# KiCad board main.kicad_pcb (continued)
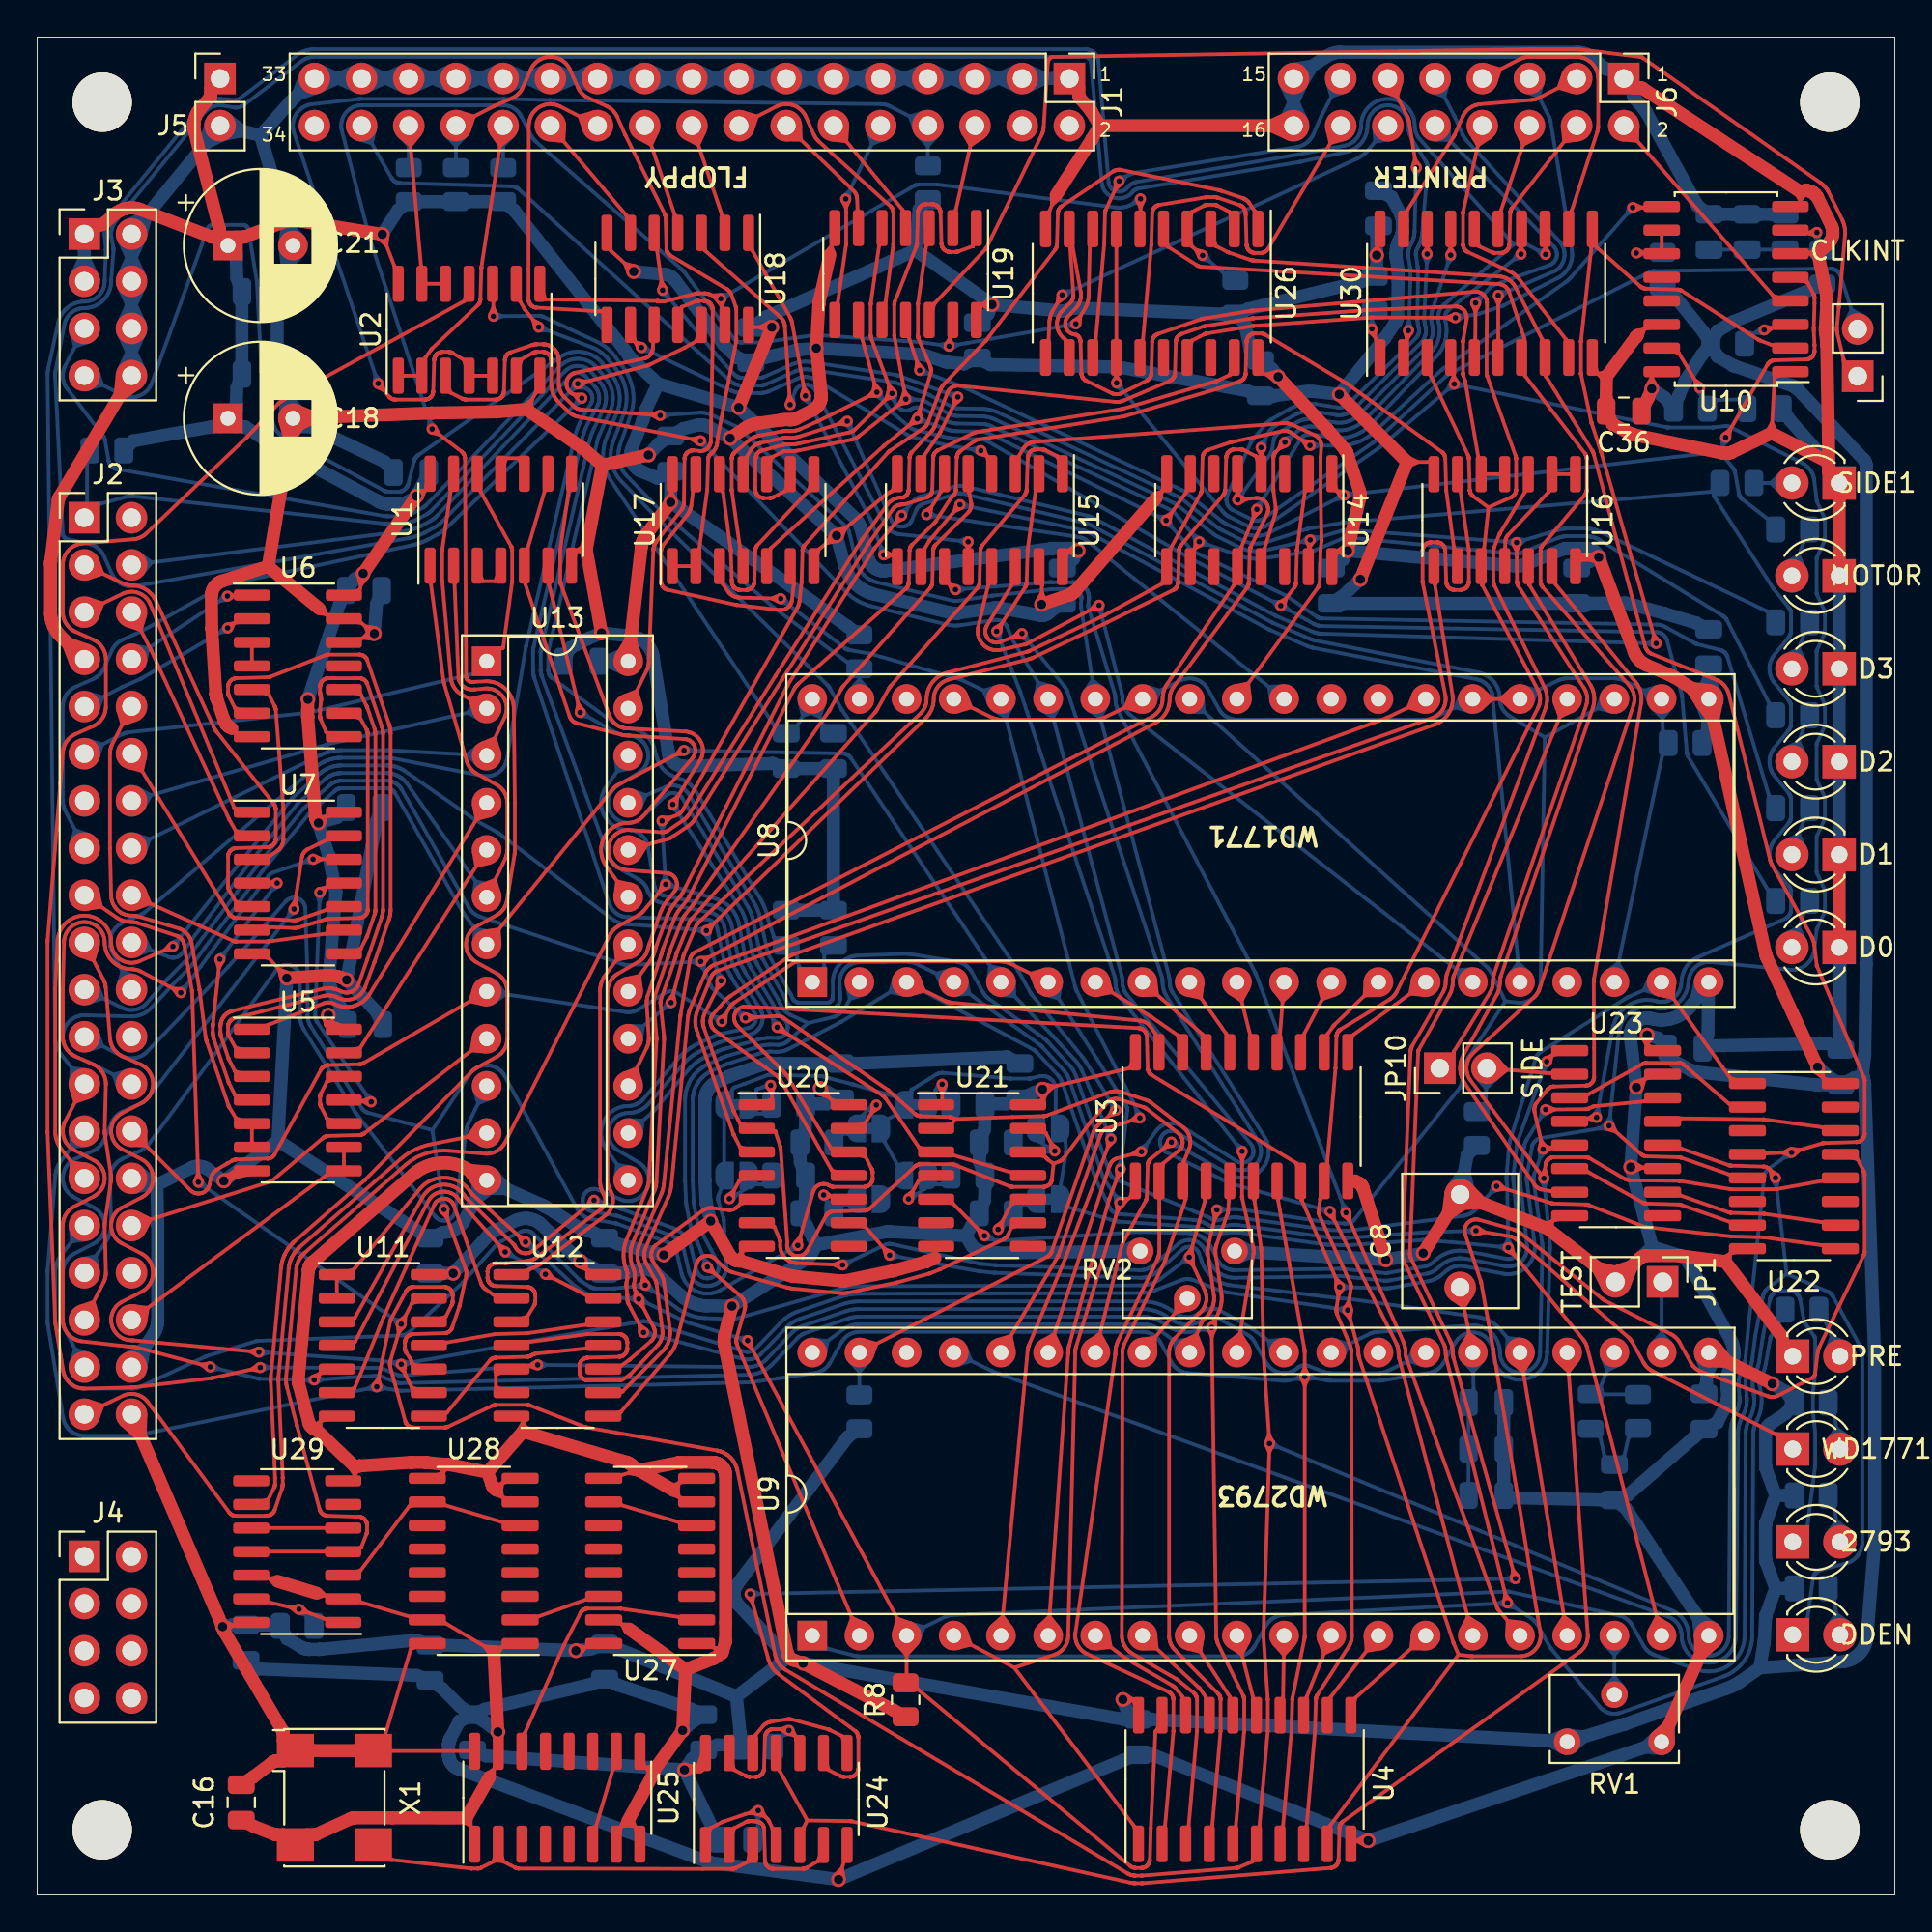
[diagram p0: board, top side]
## Routing (per net, layer and track width the routed paths; a pad name or vN(x,y) marks a point on that pad's centre or on a via; arc(x,y) is an arc through that point) (continued)
F_D4: length 277.3
  Top w0.2: 2.66,53.07 3.44,53.19 3.27,53.96 ; 19.75,30.59 19.46,30.26 19.4,30.69 ; 29.52,25.17 29.57,25.16 29.58,25.16 36.59,23.92 36.63,23.91 36.67,23.9 36.72,23.89 36.75,23.88 36.78,23.87 36.82,23.86 36.85,23.85 36.88,23.83 36.93,23.81 36.98,23.79 37.01,23.77 37.04,23.76 37.07,23.74 37.1,23.72 37.15,23.68 37.18,23.66 37.21,23.64 37.23,23.62 37.26,23.6 37.28,23.57 37.31,23.55 37.33,23.53 37.35,23.51 37.38,23.48 37.4,23.45 37.42,23.43 37.44,23.4 37.46,23.37 37.48,23.35 37.5,23.32 37.52,23.29 37.54,23.26 37.55,23.23 37.57,23.19 37.59,23.16 37.6,23.14 37.61,23.11 37.63,23.07 37.64,23.04 37.65,23.01 37.66,22.97 37.67,22.94 37.68,22.9 37.69,22.86 37.69,22.84 39.73,12.91 39.74,12.85 39.76,12.79 39.78,12.73 39.8,12.67 39.83,12.61 39.86,12.56 39.89,12.5 39.93,12.45 39.97,12.4 40.01,12.35 40.05,12.3 40.09,12.26 40.14,12.22 40.19,12.18 40.24,12.14 40.3,12.11 58.69,1.16 58.72,1.14 58.74,1.13 58.78,1.11 58.8,1.11 58.82,1.1 58.84,1.09 58.86,1.08 58.88,1.08 58.92,1.06 58.94,1.06 58.96,1.05 58.98,1.05 59,1.05 59.02,1.04 59.08,1.04 59.12,1.04 59.14,1.04 59.44,1.04 59.47,1.04 59.49,1.04 64.54,1.45 64.58,1.45 64.6,1.46 64.62,1.46 64.66,1.47 64.69,1.48 65.39,1.78 65.4,1.79 U4.6 65.8,3.73 66.24,8.81 66.25,8.83 66.25,10.51 66.24,10.53 66.01,13.88 66.01,13.92 66.01,13.95 66.01,13.97 66.01,13.99 v2(66.34,24.3) 66.01,29.12 66.01,29.16 66.01,29.17 65.89,34.69 65.89,34.72 65.89,34.75 65.89,34.79 65.89,34.82 65.88,34.86 65.52,37.43 65.52,37.44 65.52,37.54 U3.6 ; 94.36,39.78 93.96,39.95 94.35,40.15 ; v2(8.68,38.36) 8.34,48.58 8.34,48.61 8.34,48.64 8.33,48.67 7.91,51.15 7.91,51.19 7.9,51.22 7.89,51.25 7.88,51.28 7.86,51.31 7.85,51.34 7.83,51.37 7.81,51.4 7.79,51.43 7.77,51.45 7.75,51.48 7.73,51.5 7.7,51.52 7.68,51.54 7.65,51.56 7.62,51.58 7.59,51.59 7.56,51.61 7.53,51.62 7.5,51.63 5.42,52.31 5.38,52.33 5.34,52.34 5.3,52.35 5.25,52.35 5.21,52.36 5.17,52.36 5.12,52.37 5.01,52.37 4.95,52.37 4.88,52.38 4.81,52.39 4.75,52.41 4.68,52.42 4.62,52.44 4.56,52.47 4.49,52.49 4.43,52.52 4.37,52.55 4.32,52.59 4.26,52.62 J2.17 ; 29.52,25.17 29.5,25.18 29.49,25.19 26.52,26.35 26.49,26.36 26.49,26.36 ; 19.8,30.71 19.82,31.15 19.47,30.88 ; 66.16,24.22 66.33,23.82 66.52,24.21 ; 19.98,25.25 20.01,25.23 20.04,25.21 20.05,25.2 20.08,25.19 20.11,25.18 20.13,25.17 20.16,25.17 20.19,25.16 20.2,25.16 20.25,25.16 20.26,25.16 21.91,25.16 21.94,25.16 21.97,25.16 22,25.16 22.01,25.17 22.05,25.18 22.07,25.19 22.09,25.19 22.12,25.2 24.51,26.33 24.54,26.35 24.57,26.35 24.61,26.37 24.63,26.37 24.69,26.38 24.71,26.38 26.36,26.38 26.38,26.38 26.42,26.37 26.45,26.37 26.46,26.36 26.49,26.36 ; 19.98,25.25 19.96,25.26 19.94,25.28 19.92,25.31 19.9,25.33 19.87,25.36 19.86,25.39 19.85,25.41 19.83,25.44 19.82,25.47 19.82,25.48 19.01,28.4 19.01,28.43 19,28.46 19,28.49 18.99,28.51 18.99,28.54 18.99,28.57 18.99,28.6 18.99,28.63 19,28.65 19,28.68 19.01,28.71 19.01,28.74 v2(19.6,30.72) 20.17,31.84 20.17,31.84 U11.13 ; U26.3 63.45,88.76 63.45,88.76 64.08,88.43 64.12,88.42 64.14,88.41 65.29,88.02 65.33,88.01 65.37,87.99 65.39,87.99 65.41,87.99 65.43,87.98 65.45,87.98 65.52,87.97 78.72,87.12 78.77,87.11 78.83,87.1 78.88,87.09 78.94,87.08 78.99,87.06 79.04,87.04 79.09,87.02 79.14,86.99 79.19,86.97 79.23,86.94 79.28,86.9 79.32,86.87 79.36,86.83 79.4,86.79 79.44,86.75 79.47,86.71 79.5,86.66 79.53,86.61 79.56,86.56 81.01,83.75 81.01,83.74 U30.8 81.22,81.87 81.22,81.77 81.23,81.75 81.23,81.73 81.24,81.71 83.7,77.76 83.72,77.73 83.74,77.7 83.75,77.66 83.76,77.64 83.77,77.62 83.78,77.6 83.79,77.58 83.79,77.56 83.8,77.51 86.56,67.2 86.57,67.17 86.58,67.14 86.6,67.11 86.61,67.08 86.63,67.05 86.64,67.02 86.66,66.99 86.68,66.97 86.71,66.94 86.73,66.92 86.75,66.9 86.78,66.88 86.81,66.86 86.84,66.84 86.86,66.82 86.89,66.81 86.92,66.79 90.39,65.4 90.45,65.38 90.5,65.36 90.55,65.33 90.6,65.3 90.65,65.26 90.69,65.23 90.74,65.19 90.78,65.15 90.82,65.1 90.86,65.06 90.89,65.01 90.92,64.96 90.95,64.91 90.98,64.86 91,64.81 91.03,64.75 91.04,64.7 91.06,64.64 93.29,55.71 93.3,55.66 93.31,55.62 93.33,55.58 93.34,55.54 93.36,55.49 93.38,55.45 93.4,55.41 95.52,51.59 95.54,51.54 95.57,51.49 95.59,51.45 95.6,51.4 95.62,51.35 95.63,51.3 95.64,51.25 95.65,51.2 95.66,51.15 95.79,50.06 95.8,50.04 95.8,50.02 95.81,50 95.81,49.98 98.34,44 98.35,43.97 98.36,43.92 98.37,43.89 98.37,43.88 98.37,43.83 98.37,43.82 98.37,40.98 98.37,40.96 98.37,40.92 98.37,40.89 98.36,40.88 98.35,40.84 98.34,40.82 98.34,40.8 98.32,40.77 98.31,40.74 98.3,40.73 98.28,40.7 98.26,40.68 98.25,40.67 98.22,40.64 98.2,40.62 98.19,40.61 98.16,40.59 98.14,40.58 98.12,40.57 98.09,40.56 98.06,40.55 98.05,40.54 98.01,40.53 97.99,40.53 97.97,40.53 97.92,40.52 96.21,40.47 96.16,40.47 96.13,40.47 96.11,40.46 96.07,40.45 v2(94.44,39.97) 93.07,39.91 93.06,39.91 92.96,39.91 U22.4 ; 66.15,24.37 66.31,24.78 66.52,24.39 ; 94.57,39.82 94.9,40.1 94.47,40.17 ; 8.86,38.45 8.66,38.84 8.49,38.44
  Bottom w0.2: 94.48,39.77 94.05,39.69 94.26,40.07 ; v2(19.6,30.72) v2(8.68,38.36) ; 8.85,38.46 9.07,38.09 8.64,38.17 ; 66.49,24.43 66.79,24.11 66.35,24.1 ; v2(94.44,39.97) 93.22,39.09 93.19,39.07 93.17,39.05 93.15,39.03 93.12,39.01 93.1,38.98 93.08,38.96 93.06,38.93 93.05,38.9 93.03,38.88 93.02,38.85 93.01,38.82 92.99,38.79 92.99,38.76 92.98,38.72 92.97,38.69 92.97,38.66 92.07,30.06 92.07,30.04 91.98,29.02 91.97,28.94 91.95,28.86 91.94,28.78 91.92,28.7 91.9,28.62 91.87,28.55 91.85,28.47 91.82,28.39 91.78,28.32 91.77,28.3 91.74,28.23 91.71,28.15 91.68,28.07 91.66,27.99 91.64,27.92 91.62,27.83 91.61,27.75 91.6,27.67 91.59,27.59 91.59,27.51 91.59,27.43 91.6,27.34 91.6,27.29 91.63,26.79 91.64,26.75 91.64,26.71 91.64,26.68 91.64,26.65 91.64,26.63 91.64,26.6 91.63,26.57 91.63,26.51 91.62,26.47 91.62,26.43 91.61,26.39 91.6,26.35 91.59,26.3 91.58,26.26 91.56,26.22 91.55,26.18 91.53,26.14 91.51,26.1 91.5,26.06 91.48,26.02 91.46,26 91.41,25.9 91.36,25.8 91.32,25.69 91.28,25.59 91.25,25.48 91.22,25.37 91.19,25.26 91.18,25.15 91.16,25.04 91.15,24.93 91.15,24.82 91.06,13.95 91.06,13.88 91.05,13.81 91.04,13.75 91.03,13.68 91.01,13.62 90.99,13.56 90.96,13.5 90.93,13.44 90.9,13.38 90.86,13.33 90.82,13.27 90.78,13.22 90.73,13.18 90.68,13.13 90.63,13.09 90.57,13.05 90.52,13.02 90.46,12.99 90.4,12.96 90.34,12.93 90.27,12.91 90.21,12.9 90.14,12.89 90.08,12.88 90.01,12.88 89.94,12.88 89.88,12.88 89.81,12.89 89.75,12.9 89.68,12.92 89.62,12.94 89.56,12.96 89.5,12.99 89.44,13.02 89.38,13.06 89.33,13.09 89.28,13.14 89.23,13.18 89.18,13.23 89.14,13.28 89.1,13.33 89.06,13.39 89.03,13.45 89,13.5 88.97,13.57 88.95,13.63 88.93,13.69 88.92,13.76 88.91,13.82 88.9,13.89 88.9,13.95 88.9,14.04 88.89,14.12 88.88,14.2 88.87,14.28 88.85,14.36 88.82,14.44 88.79,14.51 88.76,14.59 88.72,14.66 88.68,14.73 88.63,14.8 88.58,14.86 88.53,14.93 88.47,14.99 88.42,15.04 88.35,15.1 88.29,15.15 88.22,15.19 88.15,15.23 88.08,15.27 88,15.3 v2(66.34,24.3) ; 19.63,30.92 19.2,31 19.42,30.62
F_D5: length 260.5
  Top w0.2: U11.12 21.99,31.12 21.99,31.12 22.32,31.75 22.33,31.79 22.34,31.82 22.35,31.83 22.36,31.87 22.36,31.89 22.37,31.91 22.37,31.96 22.37,31.97 22.37,32.27 22.37,32.29 22.36,32.33 22.36,32.35 22.36,32.37 22.35,32.41 22.34,32.43 22.33,32.45 22.32,32.48 22.3,32.5 22.29,32.52 22.27,32.55 22.25,32.57 22.24,32.58 22.22,32.61 22.2,32.62 22.16,32.65 22.14,32.66 22.12,32.68 22.08,32.69 22.06,32.7 22.04,32.71 22.01,32.72 21.98,32.72 21.93,32.73 21.91,32.73 20.26,32.73 20.23,32.73 20.19,32.72 20.17,32.72 20.15,32.71 20.12,32.7 20.09,32.7 20.08,32.69 ; 68.42,27.81 68.24,27.42 68.05,27.81 ; 80.97,70.52 80.96,70.54 80.95,70.57 80.94,70.6 80.94,70.63 80.93,70.68 80.93,70.7 80.93,72.35 80.93,72.38 80.93,72.41 80.94,72.44 80.94,72.46 80.95,72.49 80.96,72.52 80.98,72.56 ; 68.42,27.98 68.23,28.38 68.05,27.98 ; 80.94,38.67 81.16,39.05 81.3,38.63 ; 18.48,27.39 18.38,27.82 18.12,27.47 ; 20.08,32.69 20.04,32.67 20.02,32.66 19.99,32.64 19.97,32.62 19.95,32.61 19.92,32.57 19.9,32.56 19.87,32.51 19.85,32.49 19.06,31.01 19.05,30.99 19.04,30.97 19.03,30.95 19.02,30.93 19.02,30.91 19.01,30.89 19,30.87 19,30.85 v2(18.28,27.35) ; 80.92,38.81 80.92,38.81 77.16,43.84 77.13,43.89 77.09,43.95 77.06,44 77.04,44.06 77.01,44.11 76.99,44.17 76.98,44.23 76.96,44.29 76.95,44.35 76.95,44.42 76.94,44.48 76.94,44.54 76.95,44.6 76.96,44.66 76.97,44.72 76.98,44.78 77,44.84 77.02,44.9 77.04,44.96 77.07,45.01 77.1,45.07 77.14,45.12 77.17,45.17 77.21,45.22 77.25,45.26 77.3,45.31 80.57,48.32 80.61,48.35 80.65,48.39 80.68,48.43 80.71,48.47 80.74,48.51 80.77,48.55 80.79,48.6 80.82,48.64 80.84,48.69 80.86,48.74 80.88,48.78 85.93,64.03 85.94,64.09 85.96,64.15 85.97,64.21 85.98,64.27 85.98,64.32 85.98,64.38 85.98,64.44 85.97,64.5 85.97,64.56 85.95,64.62 85.94,64.68 85.92,64.73 85.9,64.79 85.88,64.84 85.85,64.89 85.82,64.94 85.79,64.99 85.75,65.04 85.71,65.09 81.04,70.4 81.02,70.42 81,70.45 80.99,70.48 80.97,70.52 ; 80.92,38.81 81.15,38.76 ; 80.92,38.81 v2(81.11,38.57) 81.19,39.31 81.2,39.34 81.21,39.39 81.22,39.41 81.24,39.45 ; 80.92,38.81 80.91,38.58 ; U3.7 66.79,37.54 66.79,37.44 66.79,37.43 68.22,29.39 68.22,29.36 68.22,29.33 68.23,29.29 68.23,29.26 68.23,29.23 68.23,29.2 v2(68.24,27.9) 68.23,13.95 68.23,13.92 68.23,13.89 68.23,13.86 68.22,13.83 68.22,13.8 68.22,13.77 68.21,13.73 67.57,10.6 67.57,10.56 67.56,10.52 67.52,8.82 67.51,8.81 67.07,3.73 U4.7 ; U26.5 60.87,88.72 60.87,88.72 62.41,87.74 62.43,87.72 62.46,87.71 62.48,87.7 62.51,87.68 62.53,87.67 62.56,87.67 62.59,87.66 62.62,87.65 62.64,87.65 62.67,87.64 62.7,87.64 78.69,86.71 78.72,86.7 78.76,86.7 78.79,86.69 78.82,86.68 78.86,86.67 78.89,86.66 78.92,86.65 78.95,86.63 78.98,86.61 79.01,86.59 79.04,86.57 79.06,86.55 79.09,86.52 79.11,86.5 79.13,86.47 79.16,86.44 79.17,86.41 79.19,86.38 79.21,86.35 79.22,86.32 79.23,86.29 80.07,83.75 80.07,83.74 U30.7 80.09,81.77 80.1,81.77 83.32,77.59 83.35,77.55 83.36,77.52 83.37,77.51 83.39,77.47 83.4,77.45 83.4,77.43 83.41,77.4 83.42,77.37 83.42,77.35 83.42,77.31 83.42,77.3 83.42,75.65 83.42,75.62 83.42,75.59 83.41,75.56 83.41,75.54 83.4,75.51 83.39,75.48 83.38,75.47 83.37,75.44 83.35,75.41 83.34,75.4 83.32,75.36 83.31,75.35 81.04,72.65 81.02,72.63 81,72.6 80.99,72.57 80.98,72.56 ; 81.24,39.45 81.25,39.48 81.26,39.5 81.29,39.53 81.3,39.55 81.33,39.57 81.35,39.59 81.37,39.61 81.41,39.64 81.43,39.65 81.46,39.66 81.48,39.67 81.51,39.68 81.55,39.7 81.58,39.7 81.63,39.71 81.65,39.71 83.35,39.71 83.38,39.7 83.41,39.7 83.44,39.7 83.46,39.69 83.49,39.68 83.52,39.67 83.56,39.65 83.58,39.64 85.42,38.56 85.45,38.55 85.48,38.53 85.51,38.52 85.54,38.51 85.58,38.5 85.61,38.49 85.64,38.48 85.67,38.47 85.71,38.47 85.74,38.47 85.77,38.47 88.35,38.44 88.38,38.43 88.42,38.43 88.43,38.43 91.14,37.99 91.16,37.99 91.2,37.98 91.21,37.98 92.92,37.98 93.58,37.99 93.61,37.99 93.65,37.99 93.68,38 ; U22.12 96.06,38.43 93.68,38
  Bottom w0.2: 68.29,27.7 68.71,27.82 68.35,28.06 ; v2(81.11,38.57) 81.43,35.05 81.43,34.99 81.44,34.94 81.44,34.89 81.44,34.83 81.44,34.78 81.28,29.23 81.28,29.19 81.28,29.11 81.27,29.02 81.26,28.93 81.24,28.84 81.21,28.75 81.18,28.67 81.15,28.58 81.11,28.5 81.06,28.43 81.01,28.35 80.96,28.28 80.9,28.21 80.84,28.15 80.77,28.09 80.7,28.03 80.63,27.98 80.55,27.93 80.47,27.89 80.39,27.85 80.31,27.82 80.22,27.79 80.13,27.77 80.05,27.75 79.96,27.74 79.87,27.74 79.78,27.74 79.69,27.74 79.6,27.75 79.51,27.77 79.42,27.79 79.34,27.82 79.25,27.85 79.17,27.89 79.09,27.93 79.02,27.98 78.94,28.03 78.87,28.09 78.81,28.15 78.74,28.21 78.68,28.28 78.63,28.35 78.58,28.43 78.54,28.5 78.5,28.58 78.46,28.67 78.43,28.75 78.41,28.84 78.39,28.93 78.37,29.02 78.36,29.11 78.36,29.26 78.35,29.33 78.34,29.39 78.33,29.45 78.31,29.52 78.29,29.58 78.27,29.64 78.24,29.7 78.2,29.76 78.17,29.81 78.13,29.86 78.09,29.91 78.04,29.96 77.99,30.01 77.94,30.05 77.89,30.09 77.84,30.12 77.78,30.15 77.72,30.18 77.66,30.21 77.6,30.23 77.53,30.25 77.47,30.26 77.4,30.27 77.34,30.27 77.27,30.27 77.21,30.27 77.14,30.27 77.08,30.26 77.01,30.24 76.95,30.22 76.89,30.2 76.83,30.18 76.77,30.15 76.71,30.11 76.66,30.08 76.61,30.04 76.56,30 76.51,29.95 76.47,29.9 76.42,29.85 76.39,29.8 76.35,29.74 75.7,28.63 75.67,28.58 75.64,28.54 75.6,28.49 75.56,28.45 75.52,28.41 75.48,28.37 75.44,28.33 75.39,28.3 75.35,28.26 75.3,28.23 75.25,28.21 75.19,28.18 75.14,28.16 75.09,28.14 75.03,28.12 74.98,28.11 74.92,28.1 72.45,27.69 72.41,27.69 72.37,27.68 72.33,27.68 72.28,27.68 72.24,27.68 72.2,27.67 69.66,27.67 69.62,27.68 69.58,27.68 69.53,27.68 69.49,27.68 69.45,27.69 69.4,27.7 v2(68.24,27.9) 67.48,27.72 67.42,27.7 67.36,27.69 67.3,27.69 67.24,27.68 67.18,27.68 67.12,27.67 67.06,27.68 67,27.68 61.95,28.09 61.89,28.1 61.83,28.1 61.77,28.12 61.71,28.13 61.66,28.15 61.6,28.18 61.55,28.2 61.49,28.23 61.44,28.26 61.39,28.3 61.34,28.33 61.3,28.37 61.25,28.41 61.21,28.46 61.17,28.5 61.14,28.55 61.1,28.6 61.07,28.66 60.47,29.73 60.44,29.79 60.41,29.84 60.37,29.89 60.33,29.94 60.29,29.98 60.24,30.02 60.19,30.06 60.14,30.1 60.09,30.14 60.04,30.17 59.98,30.2 59.93,30.22 59.87,30.24 59.81,30.26 59.75,30.28 59.69,30.29 59.63,30.3 59.56,30.3 59.5,30.31 44.26,30.31 44.2,30.3 44.14,30.3 44.08,30.29 44.02,30.28 43.96,30.26 43.9,30.24 43.84,30.22 43.78,30.2 43.73,30.17 43.67,30.14 43.62,30.1 43.57,30.06 43.52,30.02 43.48,29.98 43.44,29.94 43.4,29.89 43.36,29.84 43.32,29.79 43.29,29.73 42.69,28.66 42.66,28.6 42.63,28.55 42.59,28.51 42.55,28.46 42.51,28.42 42.47,28.37 42.42,28.34 42.38,28.3 42.33,28.27 42.28,28.23 42.22,28.21 42.17,28.18 42.11,28.16 42.06,28.14 42,28.12 41.94,28.11 41.88,28.1 38.57,27.61 38.52,27.6 38.46,27.6 38.41,27.59 38.35,27.59 38.3,27.59 19.64,27.14 19.59,27.13 19.55,27.14 19.51,27.14 19.47,27.14 19.43,27.14 19.39,27.15 19.35,27.16 v2(18.28,27.35) 5.31,24.73 5.27,24.73 5.23,24.72 5.2,24.72 5.16,24.71 5.12,24.71 5.08,24.71 2.54,24.71 2.47,24.71 2.41,24.72 2.34,24.73 2.28,24.74 2.22,24.76 2.16,24.78 2.09,24.8 2.03,24.83 1.98,24.86 1.92,24.89 1.87,24.93 1.81,24.97 1.76,25.01 1.72,25.05 1.67,25.1 1.63,25.15 1.59,25.2 1.55,25.26 1.52,25.31 1.49,25.37 1.47,25.43 1.44,25.49 1.42,25.56 1.41,25.62 1.4,25.68 0.59,30.63 0.58,30.68 0.57,30.74 0.57,30.79 0.56,30.84 0.56,30.9 0.56,30.95 0.56,33.49 0.56,33.52 0.56,33.55 0.56,33.59 0.56,33.62 0.57,33.65 0.97,38.7 0.98,38.77 0.99,38.85 1.01,38.92 1.03,39 1.05,39.07 1.08,39.14 1.11,39.21 1.14,39.28 1.18,39.35 1.22,39.42 1.26,39.48 1.31,39.54 J2.27 ; 18.16,27.51 17.81,27.25 18.24,27.15 ; 1.79,41.04 1.87,40.25 2.65,40.37 ; 68.2,27.7 67.77,27.79 68.11,28.06 ; 18.33,27.15 18.75,27.26 18.39,27.51 ; 80.93,38.47 81.15,38.09 81.3,38.5
F_D6: length 310.5
  Top w0.2: 21.76,36.76 22.06,36.45 22.1,36.89 ; 44.88,38.29 44.87,38.27 44.85,38.25 44.82,38.23 44.8,38.21 44.79,38.2 44.76,38.18 44.74,38.17 44.72,38.16 44.69,38.14 44.66,38.13 44.65,38.13 44.61,38.12 44.59,38.11 44.57,38.11 44.52,38.11 44.51,38.11 42.86,38.11 42.84,38.11 42.81,38.11 42.78,38.12 42.76,38.12 42.73,38.13 42.71,38.15 42.69,38.16 42.66,38.18 42.62,38.2 42.59,38.21 42.56,38.23 42.53,38.24 42.49,38.25 42.46,38.26 42.42,38.26 42.39,38.27 42.35,38.27 42.32,38.27 42.28,38.27 42.25,38.26 42.21,38.26 42.18,38.25 42.14,38.24 42.11,38.22 42.08,38.21 42.05,38.19 42.02,38.17 41.99,38.15 41.96,38.13 41.93,38.11 41.91,38.08 41.88,38.06 41.86,38.03 41.84,38 41.82,37.97 41.81,37.94 41.79,37.91 41.78,37.87 41.77,37.84 v2(40.95,34.96) ; 86.37,39.85 86.35,39.86 86.35,39.87 v2(84.62,41.4) ; 58.1,81.77 v2(58.1,81.39) ; 58.1,81.77 58.28,81.49 ; 58.1,81.77 58.1,81.87 U26.14 U26.7 ; 58.1,81.77 57.93,81.49 ; 40.79,35.09 41.08,35.42 41.14,34.99 ; 76.26,81.77 76.45,81.43 ; 76.26,81.77 v2(76.28,81.33) ; 76.26,81.77 U30.4 ; 76.26,81.77 76.1,81.41 ; 22.34,30.54 22.73,31.68 22.74,31.72 22.76,31.77 22.76,31.79 23.09,33.3 23.1,33.34 23.1,33.37 23.1,33.4 23.11,33.44 23.11,33.47 23.1,33.5 23.1,33.53 23.1,33.57 23.09,33.6 23.08,33.63 23.07,33.67 23.06,33.7 v2(21.9,36.9) ; U4.8 68.34,3.73 68.78,8.81 68.79,8.82 68.83,10.52 68.84,10.56 68.84,10.59 68.85,10.61 68.86,10.65 68.87,10.67 68.89,10.72 68.9,10.75 68.9,10.75 70.59,13.35 70.62,13.4 70.65,13.44 70.67,13.49 70.69,13.54 70.71,13.59 70.73,13.64 70.74,13.69 70.75,13.74 70.76,13.8 70.77,13.85 70.77,13.9 70.77,13.96 70.74,29.19 70.74,29.24 70.74,29.29 70.73,29.34 70.73,29.38 70.72,29.43 70.71,29.48 70.69,29.52 70.68,29.57 70.66,29.61 69.98,31.24 69.97,31.27 69.96,31.3 69.95,31.32 69.95,31.35 69.94,31.38 69.94,31.4 69.94,31.43 69.93,31.46 69.93,31.49 69.93,31.51 69.94,31.54 69.94,31.57 v2(70.11,32.73) 68.07,37.4 68.06,37.42 68.06,37.44 68.06,37.54 U3.8 67.77,39.39 67.77,39.4 60,44.12 59.99,44.14 59.96,44.16 59.94,44.17 59.92,44.19 59.9,44.21 59.88,44.23 59.86,44.27 59.84,44.29 59.83,44.31 59.81,44.35 59.8,44.37 59.8,44.39 59.79,44.42 59.79,44.45 59.78,44.5 59.78,44.51 59.73,46.2 59.73,46.22 59.73,46.26 59.72,46.28 59.72,46.3 59.71,46.34 59.7,46.36 59.69,46.38 59.68,46.41 59.67,46.43 59.66,46.45 59.63,46.48 59.62,46.5 59.61,46.51 59.58,46.54 59.56,46.55 59.52,46.58 59.5,46.59 59.48,46.61 59.44,46.62 59.42,46.63 59.4,46.64 59.37,46.65 59.34,46.65 59.3,46.65 59.29,46.66 38.16,47.82 38.12,47.82 38.09,47.81 38.05,47.81 38.01,47.81 37.98,47.8 37.94,47.79 37.91,47.78 37.87,47.76 37.84,47.74 37.81,47.73 37.78,47.71 37.75,47.68 37.72,47.66 37.69,47.63 37.67,47.61 37.64,47.58 37.62,47.55 37.6,47.52 37.59,47.49 37.57,47.45 37.56,47.42 37.54,47.38 37.53,47.35 37.53,47.31 37.52,47.28 37.52,47.24 37.52,47.2 37.52,47.17 37.52,47.13 37.53,47.09 37.54,47.06 37.55,47.02 37.56,46.99 37.57,46.95 37.59,46.92 37.61,46.89 37.63,46.86 37.65,46.83 37.67,46.8 37.7,46.77 40.2,44.31 40.23,44.28 40.25,44.25 40.27,44.23 40.3,44.2 40.32,44.17 40.34,44.14 40.36,44.11 42.72,40.21 42.73,40.2 U20.12 44.6,39.72 44.6,39.72 44.92,39.08 44.94,39.04 44.95,39.02 44.96,39 44.96,38.97 44.97,38.94 44.97,38.92 44.97,38.88 44.97,38.87 44.97,38.57 44.97,38.54 44.97,38.51 44.97,38.48 44.96,38.46 44.95,38.43 44.94,38.4 44.94,38.39 44.92,38.36 44.91,38.33 44.9,38.32 44.88,38.3 ; 19.85,29.93 19.83,29.9 19.82,29.87 19.82,29.86 19.81,29.82 19.8,29.8 19.8,29.75 19.8,29.73 19.8,29.43 19.8,29.4 19.8,29.36 19.81,29.34 19.81,29.32 19.82,29.29 19.83,29.26 19.83,29.24 ; 22.34,30.54 22.33,30.51 22.32,30.48 22.3,30.46 22.29,30.44 22.27,30.41 22.25,30.39 22.24,30.38 22.22,30.36 22.2,30.34 22.18,30.33 22.15,30.31 22.13,30.29 22.11,30.28 22.08,30.27 22.06,30.26 22.04,30.25 22.01,30.25 21.98,30.24 21.96,30.24 21.92,30.24 20.25,30.19 20.2,30.18 20.18,30.18 20.15,30.17 20.12,30.16 20.09,30.16 20.08,30.15 ; 84.56,41.21 84.98,41.08 84.8,41.48 ; 70.25,32.87 69.92,33.17 69.91,32.73 ; U22.5 91.07,38.78 88.5,39.68 88.48,39.69 88.45,39.7 88.42,39.7 88.37,39.71 88.36,39.71 86.64,39.75 86.62,39.76 86.59,39.76 86.56,39.76 86.54,39.77 86.51,39.78 86.48,39.79 86.47,39.79 86.44,39.81 86.41,39.82 86.4,39.83 86.38,39.85 ; 19.85,29.93 19.86,29.96 19.87,29.98 19.89,30.01 19.91,30.03 19.93,30.05 19.96,30.07 19.97,30.09 20.01,30.12 20.04,30.13 20.08,30.15 ; 19.84,29.24 19.85,29.21 19.86,29.19 19.87,29.18 20.07,28.89 20.08,28.86 20.1,28.84 20.11,28.82 20.12,28.79 20.13,28.77 20.14,28.75 20.15,28.72 20.15,28.7 20.16,28.67 20.16,28.64 20.17,28.62 20.17,28.59 20.17,28.58 U11.10 ; 70.28,32.62 70.04,32.25 69.92,32.67
  Bottom w0.2: 96.23,62.98 96.23,62.95 96.22,62.93 96.21,62.88 96.2,62.85 96.19,62.83 95.82,62.03 95.81,62.01 95.8,61.98 95.79,61.95 95.79,61.93 95.79,61.9 95.79,60.1 95.79,60.07 95.79,60.05 95.8,60.02 95.81,59.99 95.82,59.97 96.19,59.17 96.2,59.14 96.21,59.12 96.22,59.07 96.23,59.04 96.23,59.02 96.24,58.97 96.24,58.95 96.24,58.05 96.23,58.02 96.23,57.98 ; J2.23 4.55,45.16 4.61,45.13 4.67,45.11 4.73,45.08 4.79,45.07 4.85,45.05 4.92,45.04 4.98,45.03 5.05,45.03 5.11,45.03 5.18,45.03 5.24,45.04 5.3,45.05 5.37,45.07 5.43,45.08 5.49,45.11 5.55,45.13 5.61,45.16 5.67,45.19 5.72,45.22 5.77,45.26 5.82,45.3 5.87,45.34 5.92,45.39 10.27,49.95 10.29,49.96 13.37,53.47 13.39,53.49 13.42,53.52 13.45,53.54 13.48,53.57 13.51,53.59 13.54,53.6 13.58,53.62 13.61,53.64 13.65,53.65 13.68,53.66 13.72,53.66 13.76,53.67 13.79,53.67 13.83,53.67 13.87,53.67 13.91,53.67 13.94,53.66 13.98,53.65 14.01,53.64 14.05,53.63 14.08,53.62 14.12,53.6 14.15,53.58 14.18,53.56 14.21,53.54 14.24,53.51 14.27,53.49 14.29,53.46 14.31,53.43 14.34,53.4 14.36,53.37 14.37,53.34 14.39,53.3 14.4,53.27 14.41,53.23 14.42,53.2 14.43,53.16 14.43,53.12 14.44,53.08 14.56,49.39 14.56,49.35 14.56,47.35 14.56,47.3 14.56,47.25 14.57,47.2 14.57,47.15 14.59,47.1 14.6,47.05 14.61,47 14.63,46.95 14.65,46.9 14.67,46.85 14.7,46.81 14.73,46.76 ; 96.23,67.98 96.23,67.95 96.22,67.93 96.21,67.88 96.2,67.85 96.19,67.83 95.82,67.03 95.81,67.01 95.8,66.98 95.79,66.95 95.79,66.93 95.79,66.9 95.79,65.1 95.79,65.07 95.79,65.05 95.8,65.02 95.81,64.99 95.82,64.97 96.19,64.17 96.2,64.14 96.21,64.12 96.22,64.07 96.23,64.04 96.23,64.02 96.24,63.97 96.24,63.95 96.24,63.05 96.23,63.02 96.23,62.98 ; 84.49,41.55 84.16,41.28 84.59,41.2 ; 70.2,32.9 70.59,32.71 70.19,32.54 ; 21.27,41.17 23.27,44.16 23.31,44.22 23.35,44.27 23.4,44.32 23.45,44.37 23.5,44.41 23.55,44.45 23.61,44.49 23.66,44.52 23.72,44.55 23.79,44.58 23.85,44.6 23.91,44.62 23.98,44.63 24.04,44.65 24.11,44.65 24.18,44.66 24.25,44.65 24.31,44.65 24.38,44.64 24.44,44.63 24.51,44.61 24.57,44.59 24.64,44.57 24.7,44.54 24.76,44.5 24.81,44.47 24.87,44.43 24.92,44.39 24.97,44.34 25.02,44.3 25.06,44.24 25.1,44.19 25.14,44.14 25.17,44.08 29.08,36.9 29.11,36.86 29.14,36.81 29.17,36.77 29.2,36.73 29.24,36.69 29.28,36.65 29.32,36.61 29.36,36.58 29.4,36.55 29.45,36.52 29.5,36.49 29.54,36.47 29.59,36.45 29.64,36.43 29.69,36.41 29.75,36.4 29.8,36.39 ; 21.27,41.17 17.82,42.1 17.79,42.1 17.76,42.11 17.74,42.13 17.71,42.14 17.68,42.15 17.66,42.17 17.63,42.19 17.61,42.2 17.58,42.22 17.56,42.24 17.54,42.27 17.52,42.29 17.5,42.31 17.48,42.34 17.46,42.36 14.73,46.76 ; 21.27,41.17 v2(21.9,36.9) ; 96.23,72.98 96.23,72.95 96.22,72.93 96.21,72.88 96.2,72.85 96.19,72.83 95.82,72.03 95.81,72.01 95.8,71.98 95.79,71.95 95.79,71.93 95.79,71.9 95.79,70.1 95.79,70.07 95.79,70.05 95.8,70.02 95.81,69.99 95.82,69.97 96.19,69.17 96.2,69.14 96.21,69.12 96.22,69.07 96.23,69.04 96.23,69.02 96.24,68.97 96.24,68.95 96.24,68.05 96.23,68.02 96.23,67.98 ; v2(40.95,34.96) 36.79,32.56 36.72,32.52 36.64,32.48 36.56,32.45 36.48,32.42 36.39,32.4 36.31,32.38 36.22,32.37 36.14,32.37 36.05,32.37 35.97,32.37 35.88,32.38 35.8,32.39 35.71,32.41 35.63,32.44 35.55,32.47 35.47,32.5 35.39,32.54 35.32,32.58 35.25,32.63 35.18,32.68 35.11,32.74 35.05,32.8 34.99,32.86 34.94,32.93 34.89,33 34.84,33.07 34.8,33.15 34.77,33.23 34.73,33.31 34.71,33.39 34.68,33.47 34.42,34.61 34.41,34.64 34.4,34.68 34.38,34.72 34.37,34.75 34.35,34.79 34.33,34.82 34.31,34.85 34.28,34.89 34.26,34.92 34.23,34.94 34.2,34.97 34.17,35 34.14,35.02 34.11,35.04 34.08,35.06 34.04,35.08 34.01,35.1 33.97,35.11 31.21,36.13 31.19,36.14 31.13,36.15 31.12,36.15 29.8,36.39 ; 58.02,81.21 58.41,81.02 58.3,81.44 ; 2.75,45.47 3.51,45.69 3.25,46.44 ; 96.23,52.98 96.24,53.03 96.24,53.05 96.24,53.95 96.23,53.98 96.23,54.03 96.23,54.06 96.22,54.07 96.21,54.12 96.2,54.15 96.19,54.17 95.82,54.97 95.81,54.99 95.8,55.02 95.79,55.05 95.79,55.07 95.79,55.1 95.79,56.9 95.79,56.93 95.79,56.95 95.8,56.98 95.81,57.01 95.82,57.03 96.19,57.83 96.2,57.86 96.21,57.88 96.22,57.93 96.23,57.96 96.23,57.98 ; 75.85,33.59 75.9,33.62 75.95,33.66 76,33.69 76.05,33.72 76.11,33.75 76.16,33.77 76.22,33.8 76.28,33.81 76.34,33.83 76.4,33.84 76.46,33.85 76.52,33.86 76.58,33.86 76.64,33.86 76.7,33.86 76.76,33.85 76.82,33.84 78.92,33.44 79,33.42 79.09,33.42 79.17,33.41 79.25,33.41 79.34,33.42 79.42,33.43 79.5,33.45 79.59,33.47 79.67,33.49 79.74,33.52 79.82,33.56 79.89,33.6 79.97,33.64 80.04,33.69 80.1,33.74 80.17,33.8 80.22,33.86 80.28,33.92 80.33,33.98 80.38,34.05 80.43,34.12 80.47,34.2 80.5,34.27 80.53,34.35 80.56,34.43 80.58,34.51 80.6,34.6 80.61,34.68 80.62,34.76 80.62,34.85 80.62,34.93 80.61,35.01 80.21,38.34 80.2,38.39 80.19,38.42 80.19,38.46 80.19,38.5 80.18,38.54 80.18,38.58 80.18,38.61 80.19,38.65 80.19,38.69 80.2,38.73 80.46,40.25 80.47,40.28 80.48,40.31 80.49,40.34 80.5,40.38 80.52,40.41 80.53,40.44 80.55,40.47 80.57,40.5 80.59,40.52 80.61,40.55 80.64,40.57 80.66,40.6 80.69,40.62 80.71,40.64 80.74,40.66 80.77,40.68 80.8,40.69 80.83,40.7 80.87,40.72 80.9,40.73 80.93,40.74 80.97,40.74 84.04,41.25 84.08,41.25 84.1,41.26 v2(84.62,41.4) 85.15,46.44 85.16,46.54 85.18,46.62 85.2,46.71 85.23,46.8 85.26,46.88 85.3,46.97 85.34,47.05 85.39,47.12 85.44,47.2 85.5,47.27 85.56,47.34 85.63,47.4 85.69,47.46 85.77,47.52 85.84,47.57 85.92,47.62 86,47.66 86.08,47.7 86.17,47.73 86.26,47.76 86.34,47.78 86.43,47.79 86.52,47.8 86.61,47.81 86.71,47.81 86.8,47.81 86.89,47.8 86.98,47.78 87.15,47.74 87.23,47.72 87.31,47.71 87.39,47.71 87.48,47.71 87.56,47.71 87.64,47.72 87.72,47.74 87.8,47.75 87.88,47.78 87.96,47.8 88.03,47.84 88.11,47.87 88.18,47.91 88.25,47.96 88.31,48.01 88.38,48.06 88.44,48.11 88.5,48.17 88.55,48.23 88.6,48.3 88.64,48.37 88.69,48.44 88.73,48.51 88.76,48.59 88.79,48.66 88.81,48.74 88.83,48.82 88.85,48.9 88.92,49.31 88.93,49.37 88.94,49.43 88.96,49.49 88.99,49.55 89.01,49.61 89.04,49.66 89.07,49.72 89.11,49.77 89.15,49.82 89.19,49.86 89.23,49.91 89.28,49.95 89.32,49.99 89.37,50.03 89.43,50.06 89.48,50.09 89.54,50.12 89.6,50.14 89.65,50.16 89.71,50.18 89.78,50.19 89.84,50.2 89.9,50.21 89.96,50.21 90.02,50.21 90.09,50.21 94.34,49.8 94.41,49.79 94.48,49.79 94.55,49.79 94.62,49.8 94.69,49.81 94.76,49.83 94.82,49.85 94.89,49.87 94.95,49.89 95.01,49.92 95.08,49.96 95.13,50 95.19,50.04 95.24,50.08 95.3,50.13 95.34,50.17 95.39,50.23 95.43,50.28 95.47,50.34 95.51,50.4 95.54,50.46 95.57,50.52 95.6,50.59 95.62,50.65 95.64,50.72 95.65,50.79 95.66,50.85 95.79,51.94 95.8,51.96 95.8,51.98 95.81,52.01 95.82,52.03 96.19,52.83 96.2,52.86 96.21,52.88 96.22,52.93 96.23,52.96 96.23,52.98 ; 84.45,41.5 84.67,41.88 84.81,41.46 ; 22.07,37.01 21.83,37.38 21.71,36.96 ; 40.97,34.76 40.53,34.72 40.78,35.08 ; 76.32,81.13 76.75,81.23 76.4,81.49 ; v2(58.1,81.39) 63.84,74.44 63.87,74.41 63.9,74.38 63.93,74.35 63.96,74.32 63.99,74.29 64.03,74.27 64.06,74.24 64.1,74.22 64.14,74.2 64.17,74.18 65.2,73.67 65.26,73.64 65.31,73.62 65.36,73.61 65.42,73.59 65.47,73.58 65.53,73.57 65.59,73.56 65.64,73.56 65.7,73.56 65.76,73.57 65.82,73.58 65.87,73.59 65.93,73.6 65.98,73.62 66.04,73.64 66.09,73.66 66.14,73.68 66.19,73.71 66.24,73.74 72.13,77.83 72.19,77.87 72.25,77.91 72.3,77.95 72.36,78 72.41,78.04 v2(76.28,81.33) 87.72,79 87.75,78.99 87.81,78.99 87.83,78.99 90.17,78.99 90.2,78.99 90.25,78.99 90.82,79.06 90.85,79.06 90.88,79.06 90.91,79.06 90.94,79.06 90.97,79.06 91,79.05 91.03,79.05 91.06,79.04 91.08,79.03 91.11,79.02 91.14,79.01 91.17,79 95,77.08 ; v2(70.11,32.73) 72.55,32.65 72.6,32.65 72.65,32.65 72.69,32.65 72.74,32.65 72.78,32.66 72.83,32.67 72.87,32.67 74.88,33.03 74.95,33.05 75.02,33.07 75.09,33.09 75.16,33.11 75.23,33.14 75.29,33.17 75.36,33.21 75.42,33.24 75.48,33.28 75.54,33.32 75.6,33.37 75.85,33.59 ; 95,77.08 95.06,77.05 95.12,77.02 95.17,76.98 95.22,76.94 95.27,76.9 95.32,76.85 95.37,76.8 95.41,76.75 95.45,76.7 95.49,76.64 95.52,76.58 95.55,76.53 95.58,76.47 95.6,76.4 95.62,76.34 95.64,76.28 95.65,76.21 95.66,76.15 95.79,75.06 95.8,75.04 95.8,75.01 95.81,74.99 95.82,74.97 96.19,74.17 96.2,74.14 96.21,74.12 96.22,74.07 96.23,74.04 96.23,74.02 96.24,73.97 96.24,73.95 96.24,73.05 96.23,73.02 96.23,72.98 ; 76.1,81.41 75.91,81.02 76.33,81.14
